# KiCad board communications-module.kicad_pcb (continued)
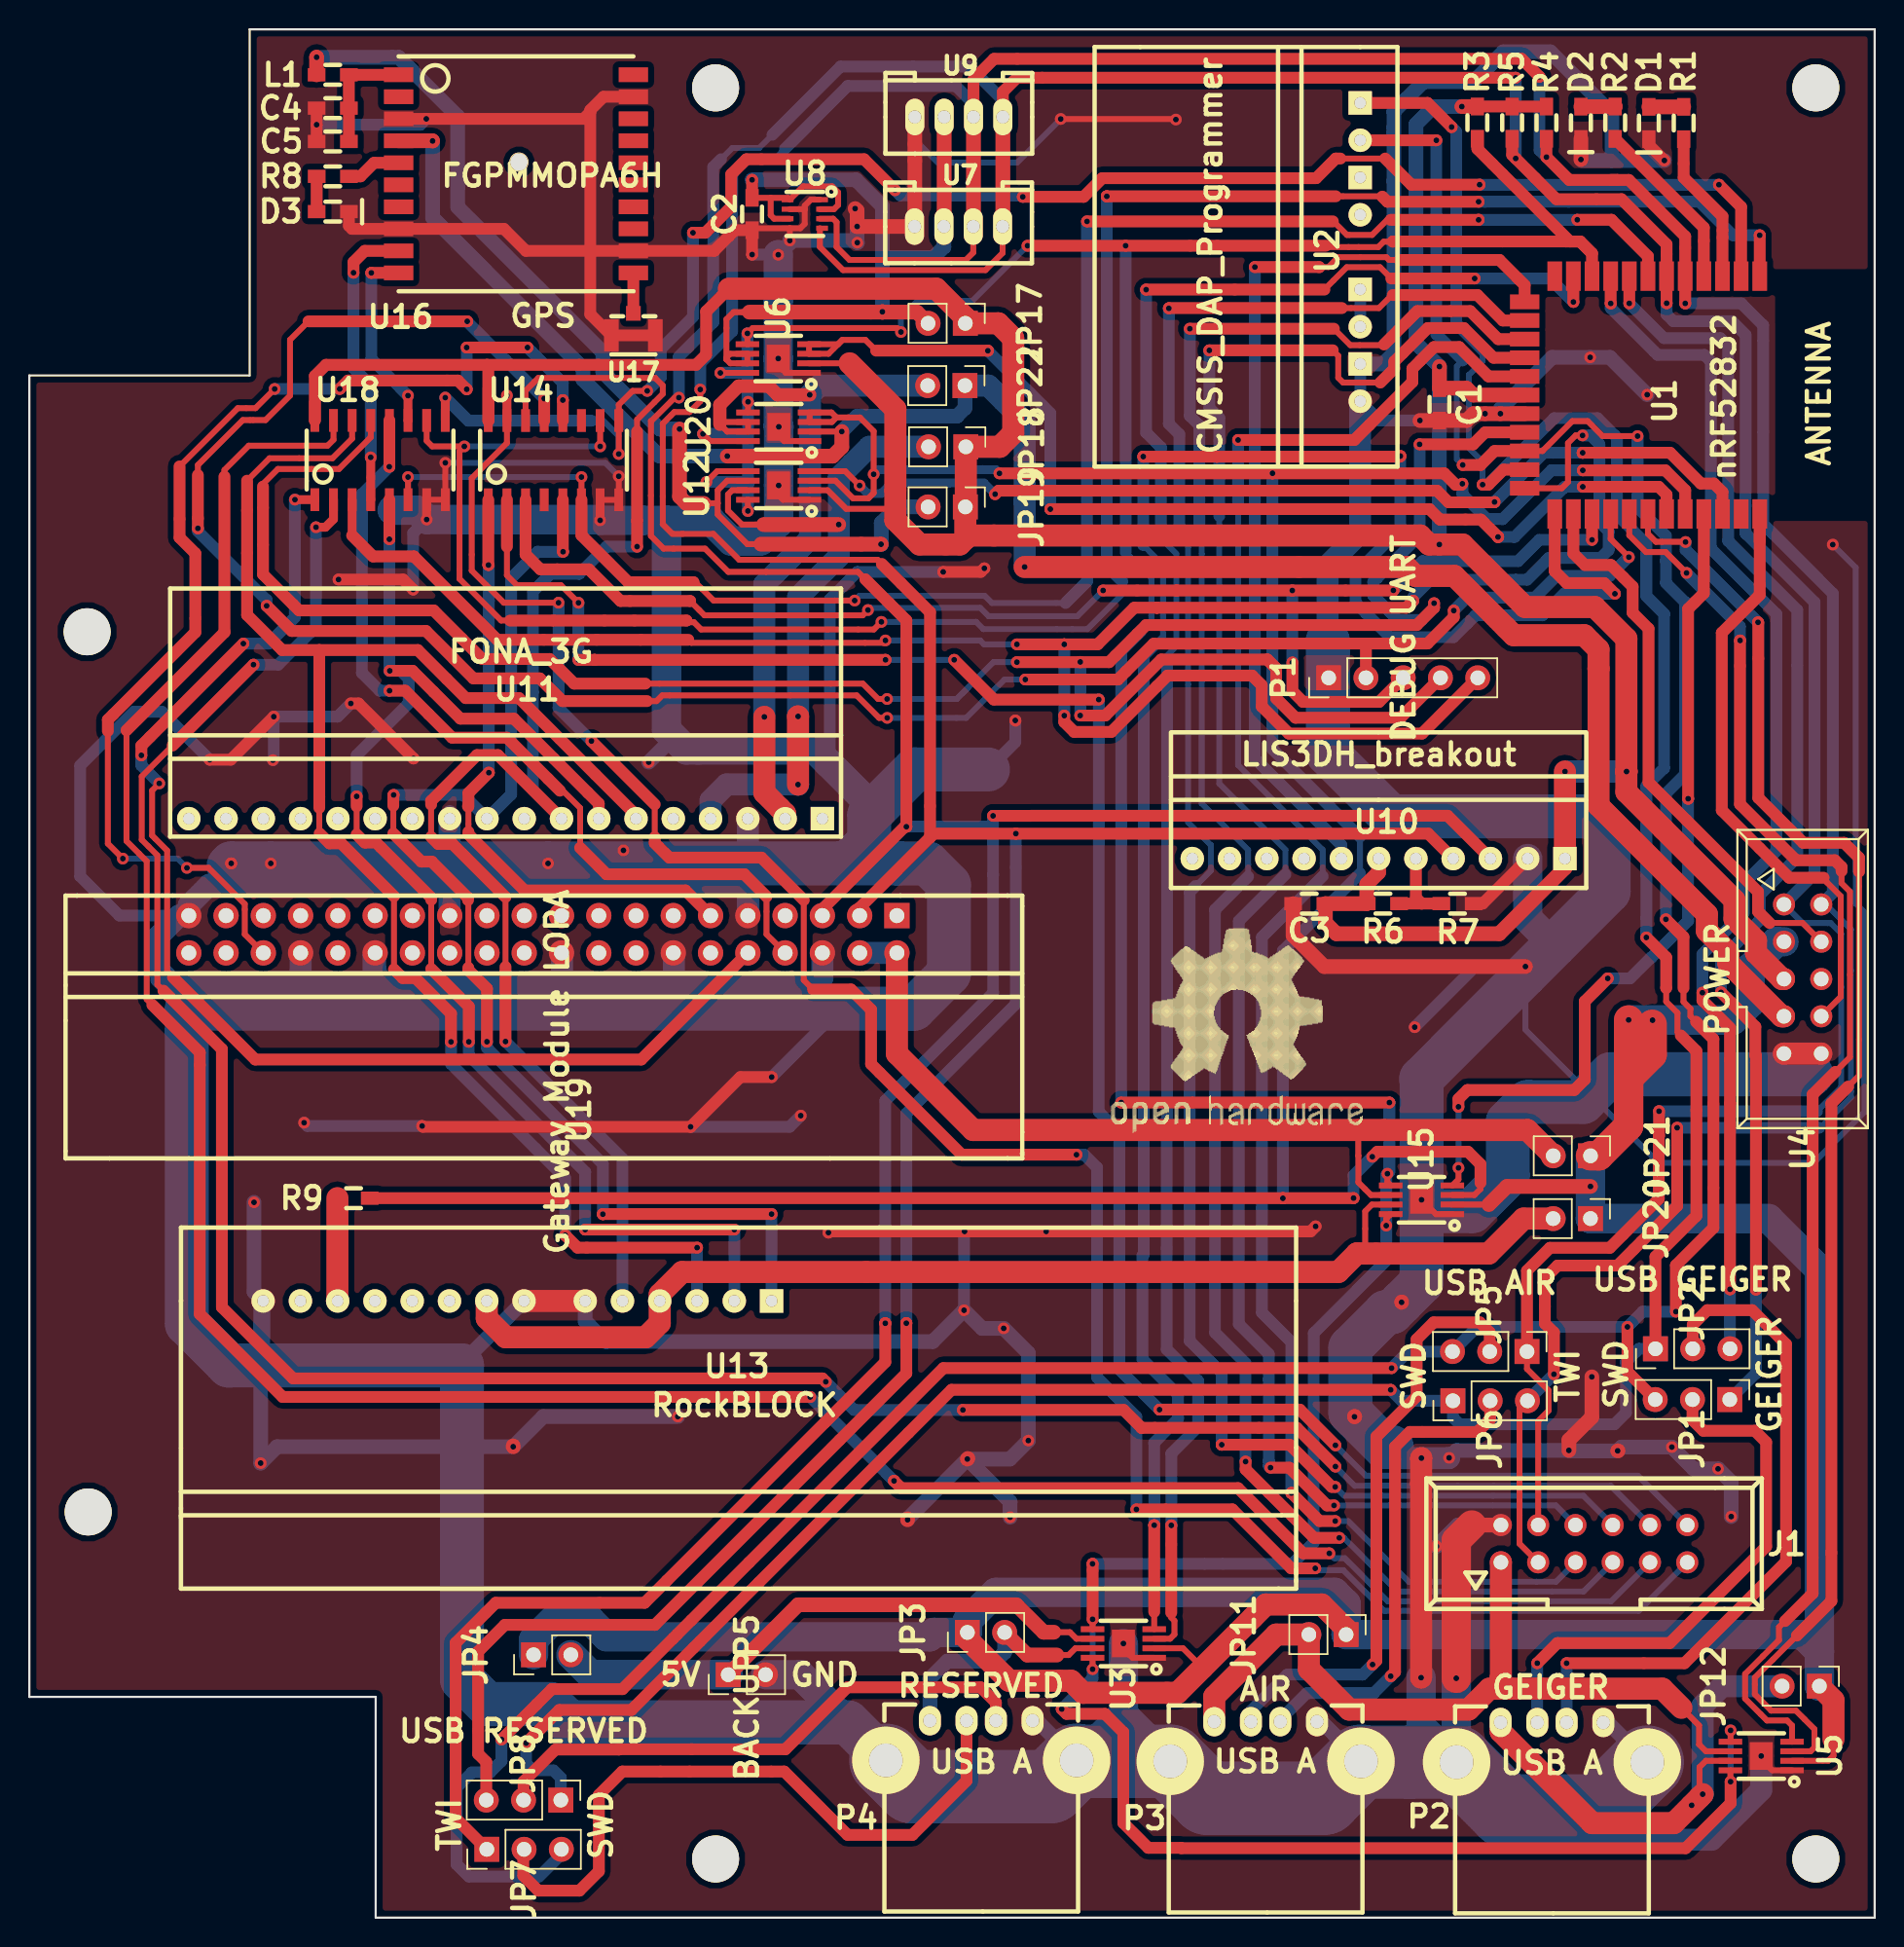
[diagram p0: board, top side]
## Routing (per net, layer and track width the routed paths; a pad name or vN(x,y) marks a point on that pad's centre or on a via; arc(x,y) is an arc through that point) (continued)
  Bottom w1.5: 106.94,7.27 108.89,5.31 114.65,5.31 118.03,8.69 v1(118.03,11.01) ; 18.49,64.42 18.49,63.67 U19.34 ; U19.6 54.05,64.03 53.69,63.67 43.93,63.67 ; 23.62,64.47 23.57,64.42 U19.30 23.46,65.61 23.46,63.67 22.82,63.67 ; 22.82,63.67 36.3,63.67 ; 22.82,63.67 9.69,63.67 8.75,64.61 8.75,66.8 10.21,68.26 10.87,68.26 10.87,68.96 12.27,70.36 28.65,70.36 ; 36.3,63.67 43.93,63.67 ; 36.3,63.67 36.3,65.68 U19.20 ; 43.93,63.67 43.93,65.68 U19.14 ; 28.65,70.36 49.01,70.36 49.01,68.3 48.97,68.26 U11.3 ; 28.65,70.36 U11.11 ; 28.65,70.36 28.65,68.26 ; 92.85,32.06 93.61,31.3 v1(94.87,31.3) 96.74,31.3 v1(96.76,31.32) ; 88.48,87.94 88.48,92.11 90.7,94.33 v1(90.7,103.3)
  Bottom w2: P5.2 52.54,16.55 P4.5 ; 74.56,13.84 P3.5 ; 74.56,13.84 v1(74.56,18.67) ; 74.56,13.84 74.5,13.84 P4.5 ; v1(94.85,16.35) 94.85,13.01 P2.5 97.25,10.62 v1(97.25,16.31) ; v1(51.04,106.21) 51.04,106.2 ; v1(51.04,106.21) 51.04,101.6 v1(51.07,101.56) ; v1(51.04,106.21) 51.04,113.28 v1(51.04,113.28) ; v1(51.07,101.56) 51.08,101.55 51.08,101.55 ; v1(51.07,101.56) 51.07,101.55 v1(51.07,97.56) ; v1(51.07,97.56) 51.06,97.56 ; v1(51.07,97.56) 51.07,95.03 49.81,93.78 47.83,93.78 46.42,95.19 43.42,95.19 ; 94.88,48.9 v1(94.88,48.9) ; 24.72,95.88 26.44,95.88 v1(27.08,95.24) 38.84,95.24 v1(38.9,95.19) 43.42,95.19 ; 43.42,95.19 43.42,80.9 44.78,79.54 53.57,79.54 57.24,75.88 57.24,75.11 ; 103.94,66.23 102.11,68.05 U10.2
  Bottom w3: 13.58,71.64 v1(13.76,71.82) v1(16.45,71.82) v1(35.35,71.82) 55.27,71.82 ; 121.45,57.45 107.77,57.45 105.88,55.57 102.12,55.57 100.76,54.2 100.76,50.56 98.32,48.13 94.88,48.13 ; 55.27,71.82 61.22,71.82 62.67,70.37 62.67,64.31 60.28,61.92 10.73,61.92 10.73,40.46 13.58,37.61 29.48,37.61 29.48,16.23 31.17,14.55 35.53,14.55 36.78,13.3 55.79,13.3 P4.5 ; 55.27,71.82 55.75,71.82 57.24,73.31 57.24,75.11 60.35,78.22 65.33,78.22 ; 94.88,48.13 94.88,43.27 v1(93.52,41.92) 92.85,41.25 92.45,41.25 90.03,38.82 90.03,34.4 v1(90.31,34.12) 92.36,32.06 92.85,32.06 ; 94.88,48.13 v1(94.88,48.9) 94.88,57.13 94.86,57.14 107.63,69.91 107.63,73.91 106.52,75.02 92.77,75.02 88.5,79.28 88.5,86.93 88.48,86.95
  Bottom w5: P2.5 106.94,7.27 100.6,7.27 P2.5 90.81,10.59 P3.5 88.24,8.14 80.27,8.14 P3.5 71.44,10.65 P4.5 69.58,8.92 60.17,8.92 P4.5
VBAT: length 143.9
  Top w0.4: U20.2 v1(55.37,101.23)
  Top w0.8: 86.54,91.87 86.54,92.01 ; 86.54,91.87 86.54,92.01 ; 86.54,91.87 86.54,92.01
  Top w1: v1(27.48,121.03) 27.47,121.04 U16.4 ; v1(55.37,101.23) 55.37,100.18 54.75,99.56 v1(47.57,99.56)
  Top w1.5: v1(67.83,92.01) 93.86,92.01 94.47,91.4 97.12,91.4 101.16,87.36 105.97,87.36 106.94,86.39 106.94,85.09 106.94,85.09 106.94,75.74 114.33,68.36 114.33,67.21 115.79,65.75 115.79,65.03 119.42,61.4 119.58,61.4
  Bottom w1: 55.37,101.23 v1(55.37,101.23) 56.42,102.28 63.21,102.28 63.76,102.83 JP22.1 ; v1(47.57,99.56) 42.95,99.56 37.73,104.78 37.73,105.56 27.48,115.81 v1(27.48,121.03)
  Bottom w1.5: v1(67.83,92.01) 67.83,101.9 65.36,104.37 JP22.1
ACC_INT: length 63.3
  Top w0.4: 93.39,112.93 92.67,112.93 92.48,113.11 89.2,113.11 88.53,112.44 87.9,112.44
  Top w0.8: 87.91,112.43 87.9,112.44 v1(83.52,112.44) ; 93.39,112.93 100.19,112.93 101.91,111.21 U1.13
  Bottom w0.8: v1(83.52,112.44) 83.52,112.44 83.52,78.97 89.41,73.07 U10.7
AIR_5V: length 53.9
  Top w0.4: 112.59,14.3 113.79,13.09 113.79,11.8 114.26,11.33 U5.6
  Top w1.5: 112.59,14.3 111.29,15.6 100.27,15.6 ; 100.27,15.6 99.5,15.6 98.08,14.17 89.95,14.17 87.2,16.93 JP11.2 84.97,19.28 80.75,15.06 P3.1 ; 100.27,15.6 100.27,16.34 100.29,16.35 J1.1
AIR_CTS: length 149.7
  Top w0.4: v1(36.06,89.57) 32.34,89.57 30.15,91.76 30.15,98.05 32.55,100.45 U14.15 ; 53.41,63.23 52.78,63.86 52.78,69.32 ; 42.62,75.84 42.62,73.6
  Top w0.6: v1(32.55,103.69) 32.55,103.69 U14.15
  Top w0.8: 52.78,69.32 49.89,72.21 43.61,72.21 42.62,73.2 42.62,73.6 ; 53.41,63.23 55.99,63.23 57.36,61.86 57.36,58.15 63.54,51.97 v1(71.36,51.97) ; v1(75.45,27.81) 81.99,27.81 86,23.8 v1(87.64,23.8) ; 42.62,75.84 v1(38.31,80.15)
  Bottom w0.4: v1(87.64,23.8) 87.76,23.67 89.55,23.67 92.32,20.9 109.68,20.9 J1.11
  Bottom w0.8: v1(38.31,80.15) 36.06,82.4 v1(36.06,89.57) ; v1(75.45,27.81) 75.45,34.12 72.76,36.8 72.76,51.1 71.89,51.97 v1(71.36,51.97)
AIR_RTS: length 140.6
  Top w0.4: v1(37.42,89.57) 36.22,90.77 33.22,90.77 32.55,91.44 32.55,93.4
  Top w0.8: v1(77.02,34.61) 77.03,34.61 86.58,34.61 v1(89.01,32.18) ; v1(58.35,85.68) 58.34,85.68 38.52,85.68 ; v1(72.88,82.98) 65.73,82.98 v1(63.03,85.68) ; 38.52,85.68 38.52,85.68 38.52,85.68 ; 38.52,85.68 v1(37.42,85.68) ; U14.2 32.55,93.4
  Bottom w0.4: v1(89.01,32.18) 91.08,30.1 109.63,30.1 J1.12 ; v1(63.03,85.68) v1(58.35,85.68)
  Bottom w0.8: 72.89,82.97 v1(72.88,82.98) 72.88,54.9 74.28,53.5 74.28,37.34 v1(77.02,34.61) ; v1(37.42,89.57) v1(37.42,85.68)
AIR_RX: length 167.5
  Top w0.4: 9.77,79.85 7.66,77.74 7.66,73.43 8.72,72.37 8.72,63.56 9.14,63.15
  Top w0.6: v1(19.54,94.72) 20.18,94.72 20.73,95.27 U18.2
  Top w0.8: v1(89.01,30.73) 86.38,33.37 75.8,33.37 ; 75.8,33.37 75.79,33.36 ; 75.8,33.37 74.58,34.59 v1(63.62,34.59) ; 9.14,63.15 13.12,59.16 13.12,41.58 17.97,36.73 54.05,36.73 v1(54.28,36.51) ; v1(15.27,85.35) 9.77,79.85
  Bottom w0.4: v1(89.01,30.73) 90.32,29.42 107.77,29.42 J1.10
  Bottom w0.8: v1(54.28,36.51) 56.2,34.59 v1(63.62,34.59) ; v1(15.27,85.35) 16.96,85.35 19.54,87.93 v1(19.54,94.72)
AIR_TX: length 180
  Top w0.4: 13.3,98.17 13.3,98.62 14.95,100.27 20.32,100.27 20.73,100.67 U18.15 ; 8.38,62.18 8,62.56 8,71.96 6.62,73.34 6.62,80.88
  Top w0.8: 58.92,29.75 v1(58.93,29.75) 59.42,29.26 82.37,29.26 86.82,24.82 v1(88.59,24.82) ; 6.62,80.88 13.3,87.56 13.3,98.17 ; 8.38,62.18 11.61,58.94 11.61,41.12 17.26,35.47 v1(53.21,35.47)
  Bottom w0.4: v1(88.59,24.82) 88.93,24.48 89.65,24.48 92.58,21.56 107.8,21.56 J1.9
  Bottom w0.8: v1(53.21,35.47) v1(58.93,29.75)
BACKUP_5V: length 39
  Top w0.4: 69.82,19.44 70.91,19.44 71.36,19 U3.6
  Top w1: 69.82,19.44 69.12,19.44 67.26,21.31 52.39,21.31 P5.1
  Bottom w2: P5.1 38.26,16.55 JP4.2
ENABLE-5V: length 38.5
  Top w0.4: 118.6,67.76 120.84,67.76 U4.4
  Top w0.8: 118.6,67.76 117.81,68.54 117.81,69.88 110.35,77.34 110.35,87.81 109.27,88.89 109.27,90.67 107.79,92.15 106.01,92.15 105.23,92.93 U1.25
ENABLE-AIR: length 97.3
  Top w0.4: 119.65,20.21 119.24,19.79 119.24,18.91 116.93,16.6 116.93,14.92 118.42,13.43 119.79,13.43 120.13,13.09 U5.4 ; 123.5,71.3 123.5,70.47 124.07,69.9 124.07,58.61 123.08,57.62 ; v1(112.94,91.6) 111.52,93.03 110.18,93.03 109.04,94.16 U1.28
  Top w0.8: v1(116.59,87) 116.58,87 116.58,75.85 120.4,72.03 123.05,72.03 123.5,71.57 123.5,71.3 ; 123.08,57.62 121.53,56.07 121.53,22.09 119.65,20.21
  Bottom w0.8: 116.58,87 116.58,87.96 112.94,91.6 v1(112.94,91.6) ; 116.58,87 v1(116.59,87) ; 116.58,87 v1(116.59,87) ; 116.58,87 v1(116.59,87)
ENABLE-BACKUP: length 140
  Top w0.4: 76.66,20.83 76.66,20.83 U3.4
  Top w0.8: v1(108.06,90.18) 107.33,90.91 104.77,90.91 103.96,91.73 U1.24 ; 93.44,99.56 v1(93.44,99.56) 93.4,99.52 80.93,99.52 ; 80.93,99.52 80.93,99.53 ; 80.93,99.52 80.93,99.53 ; 80.93,99.52 80.93,99.53 ; 80.93,99.53 75.92,99.53 v1(75.91,99.53) ; v1(76.66,26.73) 76.66,26.73 ; v1(76.66,26.73) 76.66,26.73 ; v1(76.66,26.73) 76.66,26.73 ; 76.66,26.73 76.66,20.83
  Bottom w0.4: 75.91,93.5 77.26,92.15 77.26,88.09 77.26,88.09 77.26,87.29 76.62,86.65
  Bottom w0.8: 108.06,90.18 v1(108.06,90.18) 104.58,90.18 103.12,88.72 98.55,88.72 97.97,88.13 97.96,88.13 97.05,87.22 92.73,87.22 90.38,89.58 90.38,91.57 93.44,94.63 v1(93.44,99.56) ; 76.62,86.65 75.95,85.98 75.95,45.19 75.86,45.1 75.86,38.03 78.29,35.61 78.29,33.99 76.66,32.36 v1(76.66,26.73) ; v1(75.91,99.53) 75.91,93.5
ENABLE-FONA_ROCK: length 213.7
  Top w0.4: 55,102.2 54.69,101.88 U20.3 U20.4 54.67,102.53 55,102.2 ; 55,102.2 55.8,102.2 55.8,102.19 56.6,102.19 57.54,101.26 v1(57.54,98.33) 57.54,97.05 57.18,96.69 56.13,96.69 54.93,97.89 U12.3 ; 98.89,50.06 98.89,49.63 98.48,49.23 U15.3
  Top w0.8: v1(97.66,97.68) 97.59,97.61 97.2,97.61 96.43,98.39 84.72,98.39 ; v1(105.87,98.59) 111.49,98.59 112.85,97.24 U1.31 ; v1(90.25,49.02) 90.24,49.01 85.43,49.01 ; 98.89,50.06 98.89,51.33 98.05,52.17 91.86,52.17 v1(91.53,51.84) ; v1(84.72,98.4) 84.72,98.39 ; v1(84.72,98.4) 84.72,98.39 ; v1(84.72,98.4) 84.72,98.39 ; 84.72,98.39 v1(66.11,98.39) ; v1(85.43,49) 85.43,49.01 ; v1(85.43,49) 85.43,49.01 ; v1(85.43,49) 85.43,49.01 ; 85.43,49.01 R9.2
  Bottom w0.4: 90.69,71.13 90.69,73.63
  Bottom w0.6: v1(66.11,98.39) 65.86,98.64 57.85,98.64 v1(57.54,98.33)
  Bottom w0.8: v1(91.53,51.84) 90.25,50.56 v1(90.25,49.02) ; v1(84.72,98.4) 84.72,79.6 90.69,73.63 ; v1(85.43,49) 85.43,65.87 90.69,71.13 ; v1(105.87,98.59) 103.75,98.59 103.74,98.6 100.41,95.27 99.36,95.27 97.66,96.97 v1(97.66,97.68)
ENABLE-GEIG: length 100
  Top w0.4: 123.95,56.61 124.7,57.36 124.7,71.26 ; U5.3 121.4,11.33 121.66,11.59 121.66,12.84 120.39,14.1 118.71,14.1 117.59,15.22 117.59,16.35 120.45,19.21 ; v1(112.87,93.71) 112.86,93.72 110.85,93.72 110.31,94.27 U1.29
  Top w0.8: 123.95,56.61 122.81,55.47 122.81,21.57 120.45,19.21 ; v1(117.81,88.24) 117.83,88.22 117.83,76.29 120.9,73.22 123.68,73.22 124.7,72.2 124.7,71.26
  Bottom w0.8: v1(112.87,93.71) 112.87,93.18 v1(117.81,88.24)
ENABLE-GPS: length 68
  Top w0.4: v1(56.58,97.56) 55.6,98.54 U12.4
  Top w0.8: v1(99.86,96.44) 99.83,96.41 96.72,96.41 95.93,97.21 66.05,97.21 v1(65.82,96.97) ; 105.86,99.79 111.82,99.79 113.91,97.69 114.81,97.69 115.39,97.11 U1.33 ; 105.86,99.79 v1(105.86,99.79) ; 105.86,99.79 v1(105.86,99.79) ; 105.86,99.79 v1(105.86,99.79)
  Bottom w0.6: v1(65.82,96.97) 65.05,97.73 58.78,97.73 58.06,97.02 57.12,97.02 v1(56.58,97.56)
  Bottom w0.8: v1(99.86,96.44) 99.86,96.47 ; v1(99.86,96.44) 99.86,96.47 ; v1(99.86,96.44) 99.86,96.47 ; v1(99.86,96.44) 103.21,99.79 105.86,99.79 v1(105.86,99.79)
ENABLE-LORA: length 58.1
  Top w0.4: v1(97.4,51.08) 97.4,50.29 U15.4
  Top w0.8: v1(113.05,76.22) 113.05,76.23 113.05,89.15 114.12,90.22 U1.32 ; v1(107.57,63.98) 106,62.42 106,57.09 105.29,56.38 98,56.38 97.39,55.77 v1(97.39,55.24)
  Bottom w0.4: v1(97.39,55.24) 97.4,55.23 v1(97.4,51.08)
  Bottom w0.8: 113.05,76.25 113.05,76.25 v1(113.05,76.22) 113.05,67.9 110.52,65.38 110.49,65.38 109.09,63.98 v1(107.57,63.98)
ENABLE-RESERV: length 128.5
  Top w0.4: 77.82,20.77 77.82,20.44 78.04,20.22 78.04,19.29 77.74,19 U3.3 ; 92.82,111.66 92.05,112.43 89.78,112.43 88.26,110.91
  Top w0.8: 77.82,20.77 77.82,26.72 v1(77.82,26.72) ; v1(76.11,110.9) 76.11,110.91 88.26,110.91 ; v1(105.23,110.06) U1.11 ; v1(98.5,111.66) 92.82,111.66
  Bottom w0.4: 77.54,85.65 77.54,85.98 78.17,86.61 78.17,92.91 77.12,93.96
  Bottom w0.8: v1(98.5,111.66) 103.63,111.66 v1(105.23,110.06) ; 77.54,85.65 77.54,85.65 77.54,54.39 77.51,54.36 77.51,38.72 79.65,36.58 79.65,33.44 77.83,31.61 v1(77.83,26.72) ; 77.12,93.96 77.12,100.16 76.11,101.17 v1(76.11,110.9)
ENABLE-TWI: length 74.3
  Top w0.4: 55.41,107.48 54.46,106.53 U6.3 U6.4 55.11,107.18 55.41,107.48 ; 55.41,107.48 56.98,107.48 57.71,106.75
  Top w0.8: v1(65.32,106.74) 65.32,106.75 57.71,106.75 ; v1(69.58,95.95) 69.58,95.95 95.42,95.95 96.13,95.24 98.92,95.24 100.09,94.07 v1(100.09,94.05) ; v1(100.09,94.05) 100.1,94.06 v1(100.09,94.05) ; v1(105.87,97.47) 111.04,97.47 111.58,96.94 U1.30
  Bottom w0.8: v1(69.58,95.95) 69.58,102.48 v1(65.32,106.74) ; v1(100.09,94.05) 101.22,94.05 104.64,97.47 v1(105.87,97.47)
ENABLE-VBAT: length 42.5
  Top w0.4: 122.28,70.84 122.28,70.75 123.45,69.58 123.45,62.73 122.12,61.4
  Top w0.8: 122.28,70.84 119.93,70.84 115.34,75.43 115.34,87.52 117.93,90.11 U1.35 117.93,93.73
FONA_3V3: length 47.3
  Top w0.4: 50.04,94.9 50.04,94.9 48.57,94.9 47.62,95.85 47.62,96.95 47.9,97.24 U12.7
  Top w1: 50.04,94.9 v1(55.16,94.9)
  Top w1.5: v1(52.39,81.83) 52.39,81.82 v1(52.39,77.19)
  Bottom w0.4: v1(55.16,94.9) 55.17,94.9 55.17,94.89
  Bottom w1.5: 52.39,77.2 47.51,77.2 46.43,76.11 U11.4 ; 52.39,77.2 v1(52.39,77.19) ; 52.39,77.2 v1(52.39,77.19) ; 52.39,77.2 v1(52.39,77.19) ; 55.17,94.89 55.17,98.13 57.24,100.2 JP18.2 ; v1(52.39,81.83) 52.39,89.94 55.16,92.71 v1(55.16,94.9)
FONA_ROCK_CTS: length 100.3
  Top w0.4: 41.42,101.23 41.42,102.05 43.17,103.8 43.17,104.37 42.65,104.89 34.69,104.89 33.82,104.02 U14.14 ; 32.45,69.53 32.45,64.77 ; 27.38,75.82 27.38,73.62
  Top w0.8: 41.42,101.23 v1(41.42,93.4) ; 32.45,69.53 28.84,73.14 27.86,73.14 27.38,73.62 ; U11.8 31.94,79.2 30.51,79.2 27.38,76.07 27.38,75.82 ; v1(32.45,59.68) 32.45,64.77
  Bottom w0.8: U11.8 34.32,76.81 34.32,90.34 35.52,91.54 37.47,91.54 39.33,93.4 v1(41.42,93.4) ; U13.5 40.42,51.71 v1(32.45,59.68)
FONA_ROCK_RTS: length 84.3
  Top w0.4: 29.92,64.71 29.92,69.29 29.89,69.32 ; 24.8,75.75 24.8,73.85
  Top w0.8: v1(36.37,93.05) 36.36,93.06 U14.5 ; 24.8,75.75 24.8,76.46 v1(24.83,76.48) ; v1(31.19,59.67) 31.19,63.29 29.92,64.55 29.92,64.71 ; 39.08,47.93 v1(39.08,47.92) 39.08,47.93 ; 39.08,47.93 v1(50.58,47.93) ; 29.89,69.32 29.89,69.47 27.43,71.94 26.72,71.94 24.8,73.85
  Bottom w0.8: v1(36.37,93.05) 34.63,93.05 32.84,91.25 32.84,76.52 U11.10 29.57,76.48 v1(24.83,76.48) ; v1(39.08,47.92) 39.08,51.34 31.19,59.24 v1(31.19,59.67) ; U13.1 v1(50.58,47.93)
FONA_ROCK_RX: length 93.2
  Top w0.4: 22.31,73.79 22.31,75.71 ; 27.39,64.63 27.39,69.34
  Top w0.8: U11.7 38.81,75.89 33.02,81.68 29.38,81.68 26.12,84.94 v1(24.56,84.94) ; 27.39,64.63 29.95,62.07 v1(29.95,59.67) ; 22.31,73.79 22.86,73.23 23.63,73.23 27.39,69.48 27.39,69.34 ; v1(24.54,93.9) U18.5 ; 22.31,75.71 v1(22.31,76.38) ; v1(48.04,46.87) v1(37.88,46.87)
  Bottom w0.8: v1(24.56,84.94) 24.53,84.94 ; v1(24.56,84.94) 24.53,84.94 ; v1(24.56,84.94) 24.53,84.94 ; v1(24.56,84.94) 25.32,84.94 25.85,84.41 25.85,82.72 22.31,79.18 v1(22.31,76.38) ; 24.53,84.94 24.53,88.91 24.54,88.91 v1(24.54,93.9) ; 37.88,46.87 v1(37.88,46.87) 37.88,50.8 29.95,58.73 v1(29.95,59.67) ; U13.2 v1(48.04,46.87)
FONA_ROCK_TX: length 112.1
  Top w0.4: 14.84,97.89 16.37,99.42 20.66,99.42 22,100.76 U18.14 ; 19.76,75.76 19.76,73.88 19.79,73.85 ; 24.85,64.6 24.85,69.58
  Top w0.8: 14.84,97.89 14.84,90.82 ; 14.84,90.82 14.84,90.78 ; 14.84,90.82 14.84,88.74 17.23,86.35 19.75,86.35 ; U11.6 41.35,75.1 33.37,83.08 29.74,83.08 26.47,86.35 19.75,86.35 ; 19.75,86.35 19.76,86.34 19.76,75.61 ; v1(36.52,46.49) 37.36,45.64 v1(45.51,45.64) ; 28.74,59.66 v1(28.74,59.66) 28.74,61.58 26.31,64.01 25.44,64.01 24.85,64.6 ; 19.79,73.85 20.46,73.18 21.25,73.18 24.85,69.58
  Bottom w0.8: v1(45.51,45.64) 45.5,45.64 U13.3 ; v1(28.74,59.66) 28.74,58.16 36.52,50.38 v1(36.52,46.49)
FONA_VBAT: length 53
  Top w0.4: 47.56,101.23 47.06,101.74 47.2,101.88 U20.6 U20.7 47.56,101.23
  Top w0.9: v1(53.19,103.74) 50.99,103.74 50.39,104.33 48.34,104.33 47.06,103.05 47.06,101.74
  Top w1.5: 51.48,74.89 U11.2 51.51,75.22 50.09,76.63 v1(50.09,81.8)
  Bottom w0.9: v1(53.19,103.74) 53.19,103.74 53.2,103.73
  Bottom w1.5: 53.84,104.37 53.2,103.73 ; 53.84,104.37 53.2,103.73 ; 53.84,104.37 JP22.2 ; 53.2,103.73 53.2,93.93 50.09,90.83 v1(50.09,81.8)
GEIGER0: length 87.8
  Top w0.8: v1(115.29,63.03) 117.63,60.69 117.63,58.75 117.67,58.7 117.67,56.3 117.67,56.3 v1(117.67,42.78) ; U1.8 v1(109.04,109.97)
  Bottom w0.8: v1(117.67,42.78) 117.67,37.08 JP1.1 ; 117.94,69.68 120.48,72.23 120.48,89.08 115.77,93.79 115.77,107.07 115.24,107.6 111.4,107.6 v1(109.04,109.97) ; 117.94,69.68 117.94,67.95 115.29,65.29 v1(115.29,63.03) ; 117.94,69.68 118.21,69.96
GEIGER1: length 82.5
  Top w0.8: v1(107.77,109.96) 107.77,109.97 U1.9 ; 115.9,42.8 v1(115.9,42.8) 115.9,60.61 114.02,62.49 v1(114.02,63.01)
  Bottom w0.8: v1(114.02,63.01) 114.02,65.63 116.84,68.45 116.84,70.44 119.06,72.66 119.06,88.81 114.6,93.27 114.6,106.01 114.15,106.46 110.97,106.46 107.77,109.65 v1(107.77,109.96) ; JP2.3 v1(115.9,42.8)
GEIGER_5V: length 35.2
  Top w0.4: 113.82,8.19 113.82,10.25 114.26,10.68 U5.7
  Top w1.5: v1(114.04,8.41) 113.82,8.19 113.82,8.19 v1(113.29,7.66) 112.07,6.44 106.51,6.44 100.27,12.68 P2.1
  Bottom w1.5: v1(113.29,7.66) 114.04,8.41 v1(114.04,8.41) 114.04,14.45 115.36,15.77 JP12.2
GPS_3V3: length 69.3
  Top w0.4: 46.91,96.35 46.91,97.24 47.56,97.89 U12.6 ; 46.91,96.35 46.91,95.58 48.93,93.56 49.87,93.56 ; 46.91,96.35 45.99,96.35 45.97,96.34
  Top w1: v1(19.58,126.73) 19.58,126.73 L1.2 ; v1(58.04,93.56) 58.04,93.56 49.87,93.56 ; v1(44.31,101.41) 44.31,96.8 44.77,96.34 45.97,96.34
  Bottom w1: 58.06,93.56 58.06,95.02 59.14,96.1 JP19.2 ; 58.06,93.56 v1(58.04,93.56) ; 58.06,93.56 v1(58.04,93.56) ; 58.06,93.56 v1(58.04,93.56) ; v1(44.31,101.41) 42.96,101.41 39.08,105.28 39.08,106.63 29.19,116.53 29.19,122.7 25.16,126.73 v1(19.58,126.73)
GPS_RX: length 20.1
  Top w0.6: U18.4 23.27,96.6 v1(23.27,99.48)
  Top w0.8: 25.17,113.54 U16.9 22.86,113.54 22.09,112.78 v1(22.09,112.06)
  Bottom w0.8: v1(22.09,112.06) 22.09,105.56 23.27,104.39 v1(23.27,99.48)
GPS_TX: length 13
  Top w0.6: U18.11 25.8,102 v1(25.8,103.68)
  Top w0.8: 25.16,112.05 U16.10 23.31,112.04 v1(23.31,112.05)
  Bottom w0.8: v1(25.8,103.68) 23.31,106.18 v1(23.31,112.05)
LED_RED: length 10.4
  Top w0.8: U1.3 115.39,115.9 112.74,118.54 R1.2
LED_YEL: length 11.9
  Top w0.8: U1.4 114.12,115.12 108.08,121.16 R2.2
LORA_5V: length 63.3
  Top w0.4: 90.57,53.66 90.57,51.91 90.57,51.9 90.57,50.08 91.43,49.23 U15.6
  Top w1: 103.77,51.98 JP21.2
  Top w1.5: U19.2 59.13,58.85 64.32,53.66 102.1,53.66 JP21.2
  Bottom w1.5: U19.4 U19.2
LORA_CTS: length 78.7
  Top w0.4: 10.24,98.86 14.21,102.83 15.41,102.83 v1(16.72,104.14) ; v1(6.37,72.14) 5.35,73.17 5.35,80.84 ; U19.36 14.68,66.99 14.68,69.05 12.22,71.51 v1(10.74,71.51)
  Top w0.8: v1(21.15,104.14) 21.73,104.71 29.21,104.71 v1(29.81,104.11) ; 5.35,80.84 5.35,81.6 11.31,87.56 11.31,92.93 10.24,94.01 10.24,98.86 ; U14.12 36.36,103.38 v1(36.36,103.38) ; v1(33.95,106.96) v1(29.8,106.96)
  Bottom w0.4: v1(10.74,71.51) 10.11,72.14 v1(6.37,72.14)
  Bottom w0.6: v1(29.81,104.11) 29.81,104.11
  Bottom w0.8: v1(29.8,106.96) 29.81,106.95 v1(29.81,104.11) ; v1(36.36,103.38) 36.36,104.55 v1(33.95,106.96) ; v1(16.72,104.14) v1(21.15,104.14)
LORA_RTS: length 42.2
  Top w0.4: 29.92,73.96 29.92,75.68 29.89,75.71
  Top w0.8: v1(31.29,92.14) 31.28,92.15 U14.1 ; 29.89,75.71 29.89,75.71 ; 31.31,78 v1(31.31,78) 29.92,76.61 29.92,75.68 ; 29.92,73.96 29.92,73.8 33.75,69.97 44.71,69.97 46.43,68.26
  Bottom w0.8: v1(31.31,78) 31.31,92.12 v1(31.29,92.14)
LORA_RX: length 85
  Top w0.4: v1(8.85,77.27) 8.37,76.78 8.37,73.72 9.39,72.69 9.39,64.46 9.79,64.06
  Top w0.6: U18.1 19.45,96.6 v1(18.1,96.6)
  Top w0.8: v1(14.59,86.79) 7.63,79.84 v1(7.63,79.18) ; 9.79,64.06 15.4,58.46 41.7,58.46 U19.10
  Bottom w0.8: v1(18.1,96.6) 18.09,96.59 18.09,88.58 16.3,86.79 v1(14.59,86.79) ; v1(8.85,77.27) 7.63,78.49 v1(7.63,79.18)
LORA_TX: length 57.8
  Top w0.4: 37.54,72.88 37.54,75.59 36.36,76.77 36.16,76.77 ; 50.24,69.56 50.24,66.99 U19.8
  Top w0.8: v1(24.53,98.84) 24.54,98.84 U18.12 ; 36.16,76.77 32.55,80.38 28.81,80.38 25.61,83.58 v1(24.55,83.58) ; 37.54,72.88 39.33,71.08 48.72,71.08 50.24,69.56
  Bottom w0.8: v1(24.55,83.58) 23.88,83.58 22.66,84.79 22.66,96.97 v1(24.53,98.84)
NRF_SWCLK: length 223.5
  Top w0.4: v1(109.6,100.92) 107.22,100.92 106.2,101.95 105.16,101.95 103.12,99.91 U1.21 ; 113.58,61.03 113.21,61.41 113.21,61.91 112.73,62.39 112.73,63.33
  Top w0.8: 110.46,34.95 JP1.3 108.91,37.19 v1(108.91,40.24) ; v1(32.18,12.14) 35.61,15.57 40.42,15.57 62.29,37.44 v1(92.84,37.44) ; v1(97.68,98.96) 98.9,98.96 99.86,99.91 U1.21 ; U2.5 90.7,121.07 v1(95.89,121.07) ; 113.58,61.03 114.77,59.85 114.77,46.99 112.21,44.44 v1(112.21,41.28) ; 112.73,63.33 112.73,66.81 v1(111.53,68.01)
  Bottom w0.4: v1(97.68,98.96) 97.28,99.36 97.28,105.67 97.68,106.08
  Bottom w0.8: v1(92.84,37.44) 93.97,38.57 JP5.3 98.66,40.24 108.91,40.24 v1(108.91,40.24) 109.95,41.28 v1(112.21,41.28) ; 97.68,106.08 95.89,107.87 95.89,121.07 v1(95.89,121.07) ; U2.5 90.39,121.08 ; JP7.3 36.26,4.32 34.74,2.8 29.95,2.8 29.12,3.63 29.12,8.86 30.16,9.9 31.41,9.9 32.18,10.66 v1(32.18,12.14) ; v1(111.53,68.01) 111.53,76.58 112.83,77.88 112.83,89.62 111.53,90.92 111.53,94.13 109.6,96.06 v1(109.6,100.92)
NRF_SWDIO: length 214.4
  Top w0.4: 112.55,60.1 112.32,60.32 112.32,61.63 111.55,62.4 111.55,63.34
  Top w0.8: v1(99.04,97.62) 99.44,97.62 100.46,98.64 U1.22 ; U2.6 95.29,123.62 v1(96.93,121.98) ; v1(92.78,35.96) 62.85,35.96 41.03,14.14 36.11,14.14 v1(33.86,11.89) 35.08,13.11 ; 112.55,60.1 113.61,59.04 113.61,47.81 110.82,45.02 JP2.1 ; 111.55,63.33 111.55,65.42 v1(110.2,66.77)
  Bottom w0.4: v1(99.04,97.62) 99.04,99.19 98.11,100.12 98.11,105.1 99.04,106.03 99.04,106.79
  Bottom w0.8: JP2.1 109.7,38.75 108.81,37.86 108.81,34.39 108.02,33.61 97.49,33.61 97.02,34.08 JP6.1 93.52,35.21 v1(92.78,35.96) 92.78,35.96 ; 99.04,106.79 97.25,108.58 97.25,121.66 v1(96.93,121.98) ; v1(110.2,66.77) 110.2,77.09 111.41,78.31 111.41,88.81 110.2,90.02 110.2,93.57 108.2,95.57 108.2,100.82 106.87,102.14 103.92,102.14 99.39,97.62 v1(99.04,97.62) ; JP8.1 36.22,9.53 35.72,10.03 34.32,10.03 33.86,10.49 v1(33.86,11.89)
PWR_SWITCH_OC: length 307.8
  Top w0.4: v1(72.46,16.92) 72.46,16.92 U3.8 ; U3.5 72.46,19.65 v1(72.46,20.33) ; v1(115.94,9.26) 115.93,9.27 U5.8 ; U5.5 115.94,12 v1(115.94,12.76) ; v1(48.98,103.26) 48.97,103.25 U20.5 ; 48.98,98.55 U12.5 46.88,98.54 v1(46.15,97.8) ; v1(48.97,95.82) 48.97,95.82 U12.8 ; v1(92.55,50.68) 92.55,50.1 U15.5 ; v1(92.47,47.14) 92.47,47.62 U15.8 ; v1(59.4,108.02) 59.13,108.29 49.3,108.29 v1(48.94,107.92) 48.94,107.92 U6.5 ; v1(47.09,105.23) 47.1,105.23 U6.8 ; 88.36,113.89 88.45,113.8 91.93,113.8 92.3,114.17 92.92,114.17 92.93,114.18 ; v1(45.91,101.08) 46.4,100.58 U20.8
  Top w0.8: v1(70.36,14.21) 70.69,13.88 73.3,13.88 74.55,12.63 74.55,6.45 76.25,4.76 78.49,4.76 78.52,4.73 112.88,4.73 115.94,7.79 v1(115.94,9.26) ; v1(72.46,24.1) 72.46,24.1 v1(72.46,20.33) ; 105.78,114.09 106.5,113.37 ; 106.5,113.37 U1.10 ; 106.5,113.37 105.68,114.18 ; 104.72,114.18 104.99,114.18 ; 104.72,114.18 92.93,114.18 92.91,114.17 ; 104.72,114.18 105.68,114.18 ; 104.99,114.18 105.68,114.18 ; 104.99,114.18 105.68,114.18 ; 104.99,114.18 98.68,120.49 R3.2 ; 88.36,113.89 v1(74.71,113.89) v1(68.03,113.89) ; v1(92.69,55.53) v1(74.41,55.53)
  Bottom w0.4: v1(48.94,107.92) 48.94,107.92 ; 48.98,99.89 48.97,99.88 ; v1(68.03,113.89) 64.26,110.13 60.52,110.13 59.4,109.01 v1(59.4,108.02) ; 74.71,93.02 76.47,91.26 76.47,88.7 76.47,88.34 75.74,87.61 ; v1(72.46,20.33) v1(72.46,16.92) ; v1(92.47,47.14) 92.55,47.22 ; v1(115.94,12.76) v1(115.94,9.26)
  Bottom w0.8: v1(70.36,14.21) 72.46,16.31 v1(72.46,16.92) ; 92.68,55.53 92.68,50.81 v1(92.55,50.68) 92.47,50.6 v1(92.47,47.14) 92.47,44.76 87.53,39.82 87.53,25.55 86.08,24.1 v1(72.46,24.1) ; 92.68,55.53 v1(92.69,55.53) ; 92.68,55.53 v1(92.69,55.53) ; 92.68,55.53 v1(92.69,55.53) ; 48.94,107.07 v1(48.94,107.92) 48.94,105.24 ; 48.94,105.24 48.94,103.3 v1(48.98,103.26) 48.98,101.2 ; 48.94,105.24 47.11,105.24 v1(47.09,105.23) ; 74.71,93.02 v1(74.71,113.89) ; 48.97,97.82 49.06,97.82 48.98,97.82 48.97,97.8 v1(46.15,97.8) ; 48.97,97.82 48.97,99.88 ; 48.97,97.82 v1(48.97,95.82) ; 48.98,101.2 48.86,101.08 v1(45.91,101.08) ; 48.98,101.2 48.98,99.89 ; 75.74,87.61 74.41,86.28 v1(74.41,55.53)
RESERV_5V: length 16.9
  Top w0.4: 70.02,17.89 70.83,17.89 71.29,18.35 U3.7
  Top w1: 70.02,17.89 68.01,17.89 JP3.2
  Bottom w1: JP3.2 66.47,18.08 65.86,17.47 62.56,17.47 61.37,16.29 P4.1
ROCK_5V: length 84.3
  Top w0.4: 91.03,45.24 91.04,45.25 91.04,48.12 91.5,48.58 U15.7
  Top w1.5: 90.46,45.24 99.45,45.24 101.83,47.62 JP20.2 ; 90.46,45.24 91.03,45.24 ; 90.46,45.24 89.21,43.98 44.48,43.98 42.96,42.46 U13.4 42.96,40.5 42,39.53 32.47,39.53 31.17,40.83 U13.8
SPI_CS: length 128.8
  Top w0.4: 92.07,104.57 89.53,104.57 89.2,104.9 89.2,106.4 88.82,106.78
  Top w0.8: v1(80.42,106.76) 80.42,106.77 88.83,106.77 ; v1(84.58,30.65) 85.87,30.65 88.44,28.08 v1(88.92,28.08) ; 92.07,104.57 93.02,105.52 93.02,106 95.31,108.29 97.76,108.29 99.79,106.26 U1.16
  Bottom w0.4: v1(88.92,28.08) 88.92,28.09 104.03,28.09 J1.6 ; 81.1,95.49 81.1,77.25 85.6,72.75 85.6,71.06
  Bottom w0.8: 84.47,31.12 84.47,31.11 ; 84.47,31.12 84.47,30.77 v1(84.58,30.65) ; 84.47,31.12 84.47,38.39 82.43,40.43 82.43,67.89 85.6,71.06 ; 81.1,95.49 81.1,102.16 80.42,102.84 v1(80.42,106.76)
SPI_MISO: length 139.9
  Top w0.4: 88.91,108.24 90.03,107.12 92.27,107.12 92.32,107.17
  Top w0.8: 92.32,107.17 94.59,109.44 98.2,109.44 100.1,107.53 U1.15 ; v1(82.89,31.07) 82.89,30.54 87.55,25.87 v1(89.28,25.87) ; v1(79.09,108.24) 88.91,108.24
  Bottom w0.4: v1(89.28,25.87) 89.59,25.87 93.24,22.22 105.92,22.22 J1.7 ; 79.9,80.7 79.9,76.2 ; 79.9,80.7 79.9,94.25 79.74,94.41 79.74,94.96 ; 79.9,80.7 79.9,75.89 83.06,72.73 83.06,70.92
  Bottom w0.8: 82.88,31.16 82.88,37.78 80.81,39.85 80.81,68.67 83.06,70.92 ; v1(79.09,108.24) 79.09,102.31 79.74,101.66 79.74,94.96
SPI_MOSI: length 134.8
  Top w0.4: v1(89,29.34) 89,29.36 ; 89.45,109.65 89.45,109.65 91.97,109.65 92.86,110.53 93.35,110.53
  Top w0.8: 92.92,110.53 98.69,110.53 100.42,108.8 U1.14 ; v1(77.66,109.63) 77.68,109.65 89.45,109.65 ; v1(81.26,32.22) 81.26,32.22 ; v1(81.26,32.22) 81.26,32.22 ; v1(81.26,32.22) 81.26,32.22 ; 81.26,32.22 85.89,32.22 88.76,29.34 v1(89,29.34)
  Bottom w0.4: v1(89,29.34) 89.6,28.74 105.91,28.74 J1.8 ; 79.47,70.28 80.52,71.33 80.52,73.07 78.97,74.62 78.97,93.62 78.37,94.21 78.37,94.36
  Bottom w0.8: 78.37,94.36 78.37,101.05 77.66,101.76 v1(77.66,109.63) ; v1(81.26,32.22) 81.26,37.11 79.08,39.29 79.08,69.89 79.47,70.28
SPI_SCLK: length 124.2
  Top w0.8: v1(82.38,100.66) 90.3,100.66 94.25,104.61 94.25,105.52 95.73,106.99 97.44,106.99 99.44,104.99 U1.17 ; v1(86.01,28.93) 86.01,28.93 v1(86.01,28.93) ; v1(86.01,28.93) 86.01,28.93 87.92,27.02 v1(89,27.02)
  Bottom w0.4: v1(89,27.02) 89.88,27.02 94.01,22.88 104.04,22.88 J1.5 ; 82.38,80.21 82.38,78.66 ; 82.38,80.21 82.38,95.95 ; 82.38,80.21 82.38,78.51 88.14,72.75 88.14,70.94
  Bottom w0.8: v1(86.01,28.93) 86,28.93 86,39.21 84,41.22 84,66.8 88.14,70.94 ; v1(82.38,100.66) 82.38,95.95
TWI_3V3: length 63.8
  Top w0.4: 49.38,117.03 C2.2 50.52,117.16 ; 47.51,106.15 47.78,105.88 U6.7 U6.6 47.76,106.53 47.51,106.28 47.51,106.15 ; 47.51,106.15 47.51,108.88 48,109.37 49.07,109.37 ; U8.2 54.83,116.38 55.12,116.67 55.12,117.53 54.71,117.94 52.73,117.94 U8.8 51.7,117.16 50.52,117.16 ; 50.52,117.16 50.52,115.97 50.76,115.73 U8.6
  Top w0.8: v1(49.25,118.38) 49.25,118.38 C2.2
  Top w1: JP17.2 60.49,109.37 58.13,109.37 ; 58.13,109.37 49.07,109.37 ; 58.13,109.37 v1(58.13,109.39) ; 58.13,109.37 v1(58.13,109.39) ; 58.13,109.37 v1(58.13,109.39) ; U7.2 62.35,115.22 U9.2
  Bottom w1: 58.13,113.09 61.61,113.09 62.33,113.81 U7.2 ; 58.13,113.09 58.13,116.58 56.33,118.38 v1(49.25,118.38) ; 58.13,113.09 v1(58.13,109.39)
TWI_SCL: length 425.3
  Top w0.4: U8.4 53.88,113.81 55.45,112.23 65.16,112.23 66.33,113.4 U7.4 66.33,114.44 ; J1.4 102.83,33.83 103.54,34.54 103.54,35.91 102.07,37.38 JP5.1 ; 56.97,91.18 56.47,91.68 47.63,91.68 46.05,93.26 43.23,93.26 42.36,94.13 42.36,101.95 42.39,101.95 43.98,103.55 v1(44.27,103.55)
  Top w0.8: v1(101.3,125.34) 67.31,125.34 66.35,124.38 U9.4 ; v1(58.33,40.49) 58.33,37.85 41.94,21.45 31.79,21.45 29.05,18.72 29.05,6.78 JP7.1 ; v1(111.58,109.98) 111.58,109.98 U1.6 111.58,113.99 108.5,117.06 104.07,117.06 v1(101.3,119.84) 101.05,120.08 R5.2 ; v1(111.06,54.94) 111.06,53.28 111.05,53.26 111.05,48.97 107.71,45.63 103.63,45.63 102.07,44.07 JP5.1 ; 56.97,91.18 59.77,88.38 v1(59.77,74.32) 59.66,74.32 54.05,68.7 54.05,68.26 ; U10.3 96.66,75.06 68.26,75.06 68.25,75.06 v1(65.68,75.06)
  Top w1: U7.4 66.35,115.22 U9.4
  Bottom w0.4: 121.83,54.94 123.48,56.59 123.48,67.03 122.76,67.75 120.85,67.75 U4.1 ; 50.65,121.47 49.74,120.55 47.91,120.55 47.15,119.79
  Bottom w0.8: 59.72,74.33 59.72,74.32 ; 59.72,74.33 59.77,74.33 v1(59.77,74.32) ; 59.72,74.33 65.23,74.33 65.68,73.88 ; v1(111.58,109.98) 111.58,109.21 112.04,108.75 116.03,108.75 116.96,107.82 116.96,94.3 121.66,89.6 121.66,71.11 U4.1 ; v1(65.68,75.06) 65.68,75.06 65.68,73.88 ; 65.68,73.88 65.68,63 58.33,55.65 v1(58.33,40.49) ; 47.15,119.79 46.61,119.25 46.61,108.68 44.27,106.34 v1(44.27,103.55) ; v1(111.06,54.94) 121.83,54.94 ; 50.64,121.45 55.29,126.1 64.05,126.1 66.35,123.8 U9.4 ; v1(101.3,125.34) v1(101.3,119.84)
TWI_SDA: length 414.7
  Top w0.4: JP6.3 101.56,34.67 101.56,25.47 J1.3 ; U7.3 64.33,113.43 63.83,112.93 55.89,112.93 55.02,113.81 55.02,115.5 54.78,115.73 U8.3 ; v1(45.72,104.1) 45.72,103.29 44.99,102.56 43.96,102.56 43.17,101.78 43.17,94.92 43.82,94.27 46.61,94.27 48.38,92.5 57.81,92.5 58.1,92.22
  Top w0.8: 108.22,118.37 104.95,118.37 v1(103.39,119.93) R4.2 ; 108.22,118.37 107.77,118.37 ; 108.22,118.37 109,118.37 112.85,114.53 U1.5 112.85,109.97 v1(112.85,109.96) ; v1(102.92,125.41) 101.7,126.62 65.74,126.62 64.35,125.23 U9.3 ; v1(59.77,40.5) 59.77,37.08 42.63,19.94 32.41,19.94 30.58,18.12 30.58,11.16 31.14,10.6 JP8.3 ; 61.38,73.59 56.59,68.79 56.59,68.26 ; 61.38,73.59 61.38,88.93 58.1,92.22 ; 61.38,73.59 61.64,73.84 67.23,73.84 ; 67.23,73.84 95.34,73.84 U10.4 ; 67.23,73.84 v1(67.23,73.85) ; 67.23,73.84 v1(67.23,73.85) ; 67.23,73.84 v1(67.23,73.85) ; v1(103.9,37.02) 103.9,39.86 103.28,40.48 103.28,43.55 104.15,44.42 108.23,44.42 112.3,48.48 v1(112.3,53.81)
  Top w1: U7.3 64.35,115.22 U9.3
  Bottom w0.4: 121.98,53.81 122.07,53.81 124.15,55.9 124.15,67.32 122.45,69.02 U4.2 ; 51.49,120.49 50.68,119.69 48.79,119.69 47.98,118.88
  Bottom w0.8: v1(103.39,119.93) 102.92,120.4 v1(102.92,125.41) ; v1(112.85,109.96) 116.67,109.96 118.16,108.47 118.16,94.95 122.91,90.2 122.91,69.81 U4.2 ; 51.49,120.49 55.77,124.78 63.13,124.78 64.35,123.56 U9.3 ; v1(67.23,73.85) 67.23,73.84 67.23,62.24 59.77,54.78 59.77,40.5 v1(59.77,40.5) ; 47.98,118.88 47.89,118.79 47.89,108.06 45.72,105.89 v1(45.72,104.1) ; v1(103.9,37.02) JP6.3 ; U7.3 64.33,116.18 ; v1(112.3,53.81) 121.98,53.81
UART_CTS: length 152.3
  Top w0.4: 11.49,98.45 11.49,98.27 11.49,98.95 14.55,102.02 16.1,102.02 17.77,103.68 17.77,107.49 19.02,108.74 ; v1(58.46,81.73) 58.46,81.73 57.91,81.73 56.38,83.26 43.13,83.26 42.74,82.87 42.09,82.87 ; v1(109.01,92.68) 107.77,93.92 U1.27 ; v1(67.87,84.34) 67.87,84.36
  Top w0.8: 11.49,98.27 v1(11.49,94.64) ; v1(97.08,89.04) 97.08,88.59 95.28,86.8 91.14,86.8 ; 91.14,86.8 79.91,86.8 79.9,86.78 76.63,86.78 74.19,84.34 v1(67.87,84.34) ; 91.14,86.8 91.09,86.75 P1.2 ; 42.09,82.87 36.33,82.87 34.79,84.42 30.26,84.42 27.03,87.65 17.89,87.65 v1(16.17,89.37) ; U14.13 v1(35.09,103.48) ; v1(29.84,108.74) 19.02,108.74
  Bottom w0.4: v1(109.01,92.68) 108.99,92.7 v1(109.01,92.68) ; v1(109.01,92.68) 109.01,92.71 ; v1(67.87,84.34) 66.46,84.34 63.84,81.73 v1(58.46,81.73)
  Bottom w0.8: 11.5,94.64 v1(11.49,94.64) 11.49,94.45 16.17,89.76 v1(16.17,89.37) ; 109.01,92.71 107.7,91.4 104.08,91.4 102.61,89.93 97.97,89.93 v1(97.08,89.04) ; v1(29.84,108.74) 29.84,108.73 v1(35.09,103.48)
UART_RTS: length 98.7
  Top w0.4: 54.71,88.72 55.55,88.72 ; 55.55,88.72 56.79,88.72 v1(57.15,89.08) ; 55.55,88.72 46.01,88.72 45.03,89.69
  Top w0.8: 45.04,89.69 45.03,89.69 40.29,89.69 38.13,91.85 34.83,91.85 33.82,92.86 U14.3 ; v1(92.96,90.41) 92.95,90.41 v1(86.07,90.41) 78.19,90.41 ; 78.19,90.41 78.19,90.41 ; 78.19,90.41 78.19,90.41 ; 78.19,90.41 78.19,90.41 ; 78.19,90.41 v1(73.18,90.41) ; v1(86.08,85.5) 86.08,83.54 86.8,82.82 91.99,82.82 P1.3 ; U1.26 v1(106.5,93.86)
  Bottom w0.4: v1(73.18,90.41) 71.43,88.66 65.37,88.66 64.8,89.23 57.31,89.23 v1(57.15,89.08)
  Bottom w0.8: v1(106.5,93.86) 102.91,93.86 101.45,92.41 94.95,92.41 v1(92.96,90.41) ; v1(86.07,90.41) 86.08,90.4 v1(86.08,85.5)
